# Allegro board 6089-103-RevB_76.brd (continued)
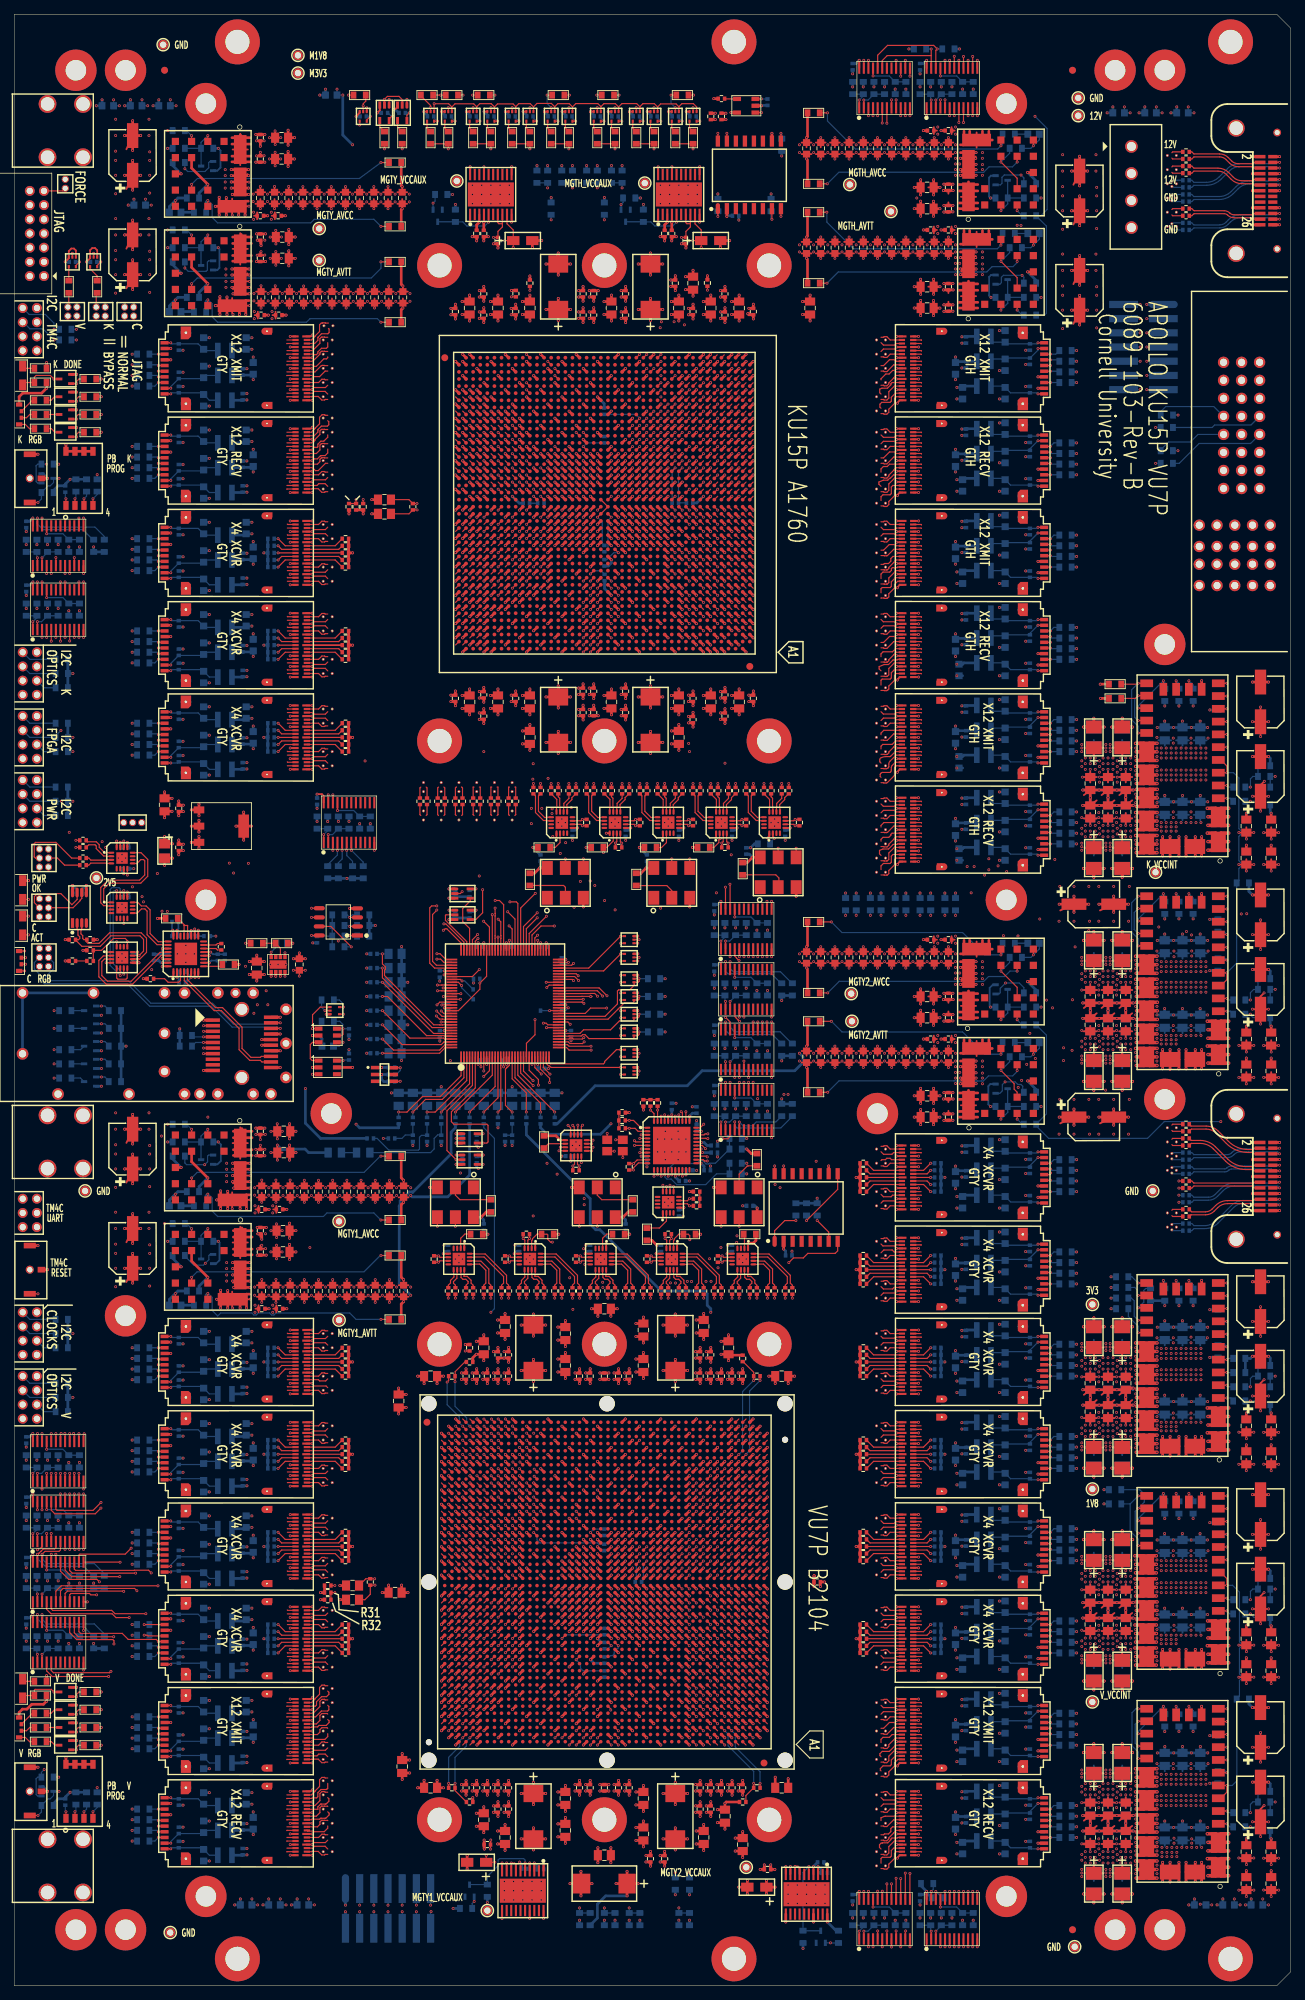
[diagram p0: board, top side]
## Routing (per net, layer and track width the routed paths; a pad name or vN(x,y) marks a point on that pad's centre or on a via; arc(x,y) is an arc through that point) (continued)
 173.03,211.95 ; P1.9 173.77,211.71 ; P1.9 172.29,210.23 ; P1.9 172.29,211.71 ; P1.9 172.05,210.97 ; P1.9 173.77,210.23 ; P1.9 174.01,210.97 ; P1.9 173.03,209.99 ; VA54.4 58.02,165.86 ; VA54.4 57.32,165.53 ; VA54.4 57.29,165.72 ; VA54.4 57.89,165.95 ; VA54.4 57.7,165.92 ; VA54.4 58.08,165.53 ; VA54.4 57.38,165.86 ; VA54.4 58.11,165.72 ; U116.G2 142.19,41.84 ; U116.G2 142.19,39.96 ; U116.G2 141.79,39.97 ; U116.G2 142.91,40.18 ; U116.G2 141.47,40.18 ; U116.G2 141.47,41.62 ; U116.G2 141.25,40.9 ; U116.G2 142.91,41.62 ; 121.24,198.22 VA81.4 ; VA81.4 121.15,197.71 ; VA81.4 121.38,197.49 ; VA81.4 121.56,198.28 ; VA81.4 121.24,197.58 ; VA81.4 121.15,198.09 ; VA81.4 121.56,197.52 ; VA81.4 121.18,197.9 ; PM24.1 161.17,112.67 ; PM24.1 160.5,111.12 ; PM24.1 159.83,112.67 ; PM24.1 161.38,112 ; PM24.1 160.5,112.88 ; PM24.1 159.62,112 ; PM24.1 161.17,111.33 ; PM24.1 159.83,111.33 ; 121.15,209.09 VA76.4 ; VA76.4 121.56,208.52 ; VA76.4 121.56,209.28 ; VA76.4 121.15,208.71 ; VA76.4 121.24,209.22 ; VA76.4 121.18,208.9 ; VA76.4 121.38,208.49 ; VA76.4 121.24,208.58 ; 43.56,26.9 43.56,27.28 ; 43.56,26.9 43.15,26.71 ; 43.56,26.9 43.24,27.22 ; 43.56,26.9 43.56,26.52 ; 43.56,26.9 43.15,27.09 ; 43.56,26.9 43.38,26.49 ; 43.56,26.9 43.18,26.9 ; 43.56,26.9 43.24,26.58 ; U13.39 24.77,140.66 ; U13.39 25.02,139.9 ; U13.39 24.01,138.9 ; U13.39 23.01,139.9 ; U13.39 23.25,140.66 ; U13.39 24.77,139.14 ; U13.39 23.25,139.14 ; U13.39 24.01,140.9 ; 3.2,229.52 J2.8 ; J2.8 3.87,231.07 ; J2.8 4.08,230.4 ; J2.8 2.32,230.4 ; J2.8 2.53,231.07 ; J2.8 3.2,231.28 ; J2.8 3.87,229.73 ; J2.8 2.53,229.73 ; 44.84,78.52 VA28.4 ; VA28.4 45.02,79.31 ; VA28.4 45.16,79.22 ; VA28.4 45.25,79.09 ; VA28.4 45.22,78.9 ; VA28.4 45.16,78.58 ; VA28.4 45.25,78.71 ; VA28.4 44.84,79.28 ; J3.7 1.87,181.23 ; J3.7 1.58,182.77 ; J3.7 2.07,182.28 ; J3.7 1.2,181.02 ; J3.7 1.2,182.78 ; J3.7 1.87,182.57 ; J3.7 2.08,181.9 ; J3.7 2.07,181.52 ; 141.79,156.97 U109.G1 ; U109.G1 142.91,157.18 ; U109.G1 142.91,158.62 ; U109.G1 142.19,156.96 ; U109.G1 142.19,158.84 ; U109.G1 141.25,157.9 ; U109.G1 141.47,158.62 ; U109.G1 141.47,157.18 ; VA115.4 121.56,73.28 ; VA115.4 121.15,72.71 ; VA115.4 121.56,72.52 ; VA115.4 121.24,72.58 ; VA115.4 121.24,73.22 ; VA115.4 121.18,72.9 ; VA115.4 121.15,73.09 ; VA115.4 121.38,72.49 ; 168.83,203.54 P1.P2-7 ; P1.P2-7 170.31,203.54 ; P1.P2-7 169.57,201.82 ; P1.P2-7 170.55,202.8 ; P1.P2-7 169.57,203.78 ; P1.P2-7 170.31,202.06 ; P1.P2-7 168.83,202.06 ; P1.P2-7 168.59,202.8 ; 44.84,37.52 VA42.4 ; VA42.4 45.16,37.58 ; VA42.4 44.84,38.28 ; VA42.4 45.22,37.9 ; VA42.4 45.25,37.71 ; VA42.4 45.02,38.31 ; VA42.4 45.16,38.22 ; VA42.4 45.25,38.09 ; U106.G2 142.19,207.84 ; U106.G2 141.79,205.97 ; U106.G2 141.47,206.18 ; U106.G2 141.47,207.62 ; U106.G2 142.19,205.96 ; U106.G2 142.91,207.62 ; U106.G2 141.25,206.9 ; U106.G2 142.91,206.18 ; 121.24,195.58 VA82.4 ; VA82.4 121.38,195.49 ; VA82.4 121.18,195.9 ; VA82.4 121.15,195.71 ; VA82.4 121.15,196.09 ; VA82.4 121.24,196.22 ; VA82.4 121.56,195.52 ; VA82.4 121.56,196.28 ; 121.56,192.52 VA83.4 ; VA83.4 121.56,193.28 ; VA83.4 121.24,192.58 ; VA83.4 121.24,193.22 ; VA83.4 121.15,192.71 ; VA83.4 121.18,192.9 ; VA83.4 121.15,193.09 ; VA83.4 121.38,192.49 ; VA86.3 123.16,187.22 ; VA86.3 123.16,186.58 ; VA86.3 123.02,187.31 ; VA86.3 123.25,186.71 ; VA86.3 123.22,186.9 ; VA86.3 122.83,187.28 ; VA86.3 122.83,186.52 ; VA86.3 123.25,187.09 ; J17.3 157.5,252.61 ; J17.3 158.31,250.74 ; J17.3 156.43,251.54 ; J17.3 156.69,252.35 ; J17.3 157.5,250.48 ; J17.3 158.31,252.35 ; J17.3 158.57,251.54 ; J17.3 156.69,250.74 ; VA84.3 122.83,191.28 ; VA84.3 123.25,191.09 ; VA84.3 123.02,191.31 ; VA84.3 123.16,190.58 ; VA84.3 123.25,190.71 ; VA84.3 122.83,190.52 ; VA84.3 123.16,191.22 ; VA84.3 123.22,190.9 ; 6.66,255.07 J12.1 ; J12.1 6.66,254 ; J12.1 7.74,254 ; J12.1 6.51,254.53 ; J12.1 7.89,254.53 ; J12.1 7.2,255.22 ; J12.1 7.74,255.07 ; J12.1 7.5,255.23 ; 43.56,44.9 43.56,45.28 ; 43.56,44.9 43.15,44.71 ; 43.56,44.9 43.15,45.09 ; 43.56,44.9 43.56,44.52 ; 43.56,44.9 43.24,44.58 ; 43.56,44.9 43.18,44.9 ; 43.56,44.9 43.38,44.49 ; 43.56,44.9 43.24,45.22 ; VA2.4 45.22,229.9 ; VA2.4 45.16,229.58 ; VA2.4 45.25,230.09 ; VA2.4 45.16,230.22 ; VA2.4 45.25,229.71 ; VA2.4 44.84,229.52 ; VA2.4 45.02,230.31 ; VA2.4 44.84,230.28 ; 121.56,29.52 VA130.4 ; VA130.4 121.24,30.22 ; VA130.4 121.24,29.58 ; VA130.4 121.18,29.9 ; VA130.4 121.15,29.71 ; VA130.4 121.38,29.49 ; VA130.4 121.56,30.28 ; VA130.4 121.15,30.09 ; VA65.4 121.56,232.28 ; VA65.4 121.18,231.9 ; VA65.4 121.24,232.22 ; VA65.4 121.56,231.52 ; VA65.4 121.24,231.58 ; VA65.4 121.38,231.49 ; VA65.4 121.15,232.09 ; VA65.4 121.15,231.71 ; 70.2,168.26 70.61,168.08 ; 70.2,168.26 69.79,168.08 ; 70.2,168.26 70.2,167.88 ; 70.2,168.26 70.01,167.85 ; 70.2,168.26 69.88,167.94 ; 70.2,168.26 70.58,168.26 ; 70.2,168.26 69.82,168.26 ; 70.2,168.26 70.52,167.94 ; VA129.3 123.22,31.9 ; VA129.3 123.02,32.31 ; VA129.3 123.16,31.58 ; VA129.3 122.83,32.28 ; VA129.3 123.16,32.22 ; VA129.3 123.25,31.71 ; VA129.3 123.25,32.09 ; VA129.3 122.83,31.52 ; VA16.4 45.16,192.58 ; VA16.4 45.25,192.71 ; VA16.4 44.84,192.52 ; VA16.4 45.16,193.22 ; VA16.4 45.25,193.09 ; VA16.4 45.02,193.31 ; VA16.4 44.84,193.28 ; VA16.4 45.22,192.9 ; VA100.4 121.56,157.28 ; VA100.4 121.18,156.9 ; VA100.4 121.15,156.71 ; VA100.4 121.56,156.52 ; VA100.4 121.24,157.22 ; VA100.4 121.38,156.49 ; VA100.4 121.24,156.58 ; VA100.4 121.15,157.09 ; VA106.4 122.83,103.28 ; VA106.4 123.16,103.22 ; VA106.4 123.25,103.09 ; VA106.4 123.02,103.31 ; VA106.4 123.25,102.71 ; VA106.4 123.22,102.9 ; VA106.4 122.83,102.52 ; VA106.4 123.16,102.58 ; VA70.3 123.25,221.71 ; VA70.3 122.83,221.52 ; VA70.3 122.83,222.28 ; VA70.3 123.25,222.09 ; VA70.3 123.16,221.58 ; VA70.3 123.02,222.31 ; VA70.3 123.22,221.9 ; VA70.3 123.16,222.22 ; J7.7 2.07,89.28 ; J7.7 2.07,88.52 ; J7.7 2.08,88.9 ; J7.7 1.2,88.02 ; J7.7 1.87,88.23 ; J7.7 1.87,89.57 ; J7.7 1.58,89.77 ; J7.7 1.2,89.78 ; 69.88,169.86 VA63.4 ; VA63.4 70.58,169.53 ; VA63.4 70.39,169.95 ; VA63.4 69.79,169.72 ; VA63.4 70.61,169.72 ; VA63.4 70.2,169.92 ; VA63.4 69.82,169.53 ; VA63.4 70.52,169.86 ; 43.38,72.49 43.56,72.9 ; 43.56,72.9 43.15,72.71 ; 43.56,72.9 43.18,72.9 ; 43.56,72.9 43.15,73.09 ; 43.56,72.9 43.24,72.58 ; 43.56,72.9 43.56,73.28 ; 43.56,72.9 43.56,72.52 ; 43.56,72.9 43.24,73.22 ; 172.05,226.21 P1.15 ; P1.15 174.01,226.21 ; P1.15 172.29,225.47 ; P1.15 173.03,227.19 ; P1.15 173.03,225.23 ; P1.15 173.77,226.95 ; P1.15 173.77,225.47 ; P1.15 172.29,226.95 ; U13.27 34.69,125.65 ; U13.27 32.69,125.65 ; U13.27 33.69,124.65 ; U13.27 32.93,124.89 ; U13.27 34.45,124.89 ; U13.27 34.45,126.41 ; U13.27 33.69,126.65 ; U13.27 32.93,126.41 ; VA94.3 123.16,169.58 ; VA94.3 123.25,170.09 ; VA94.3 123.02,170.31 ; VA94.3 123.25,169.71 ; VA94.3 123.16,170.22 ; VA94.3 122.83,169.52 ; VA94.3 122.83,170.28 ; VA94.3 123.22,169.9 ; VA40.4 45.16,41.58 ; VA40.4 45.02,42.31 ; VA40.4 45.22,41.9 ; VA40.4 45.25,42.09 ; VA40.4 44.84,41.52 ; VA40.4 45.25,41.71 ; VA40.4 45.16,42.22 ; VA40.4 44.84,42.28 ; VA49.4 45.22,22.9 ; VA49.4 44.84,22.52 ; VA49.4 45.16,22.58 ; VA49.4 45.02,23.31 ; VA49.4 45.16,23.22 ; VA49.4 45.25,23.09 ; VA49.4 45.25,22.71 ; VA49.4 44.84,23.28 ; 163.84,251.9 164.25,252.09 ; 163.84,251.9 164.22,251.9 ; 163.84,251.9 163.84,251.52 ; 163.84,251.9 164.25,251.71 ; 163.84,251.9 164.16,251.58 ; 163.84,251.9 164.02,252.31 ; 163.84,251.9 163.84,252.28 ; 163.84,251.9 164.16,252.22 ; 43.15,59.71 43.56,59.9 ; 43.56,59.9 43.56,59.52 ; 43.56,59.9 43.15,60.09 ; 43.56,59.9 43.56,60.28 ; 43.56,59.9 43.38,59.49 ; 43.56,59.9 43.18,59.9 ; 43.56,59.9 43.24,60.22 ; 43.56,59.9 43.24,59.58 ; VA50.4 45.22,20.9 ; VA50.4 45.02,21.31 ; VA50.4 45.16,21.22 ; VA50.4 45.25,20.71 ; VA50.4 45.16,20.58 ; VA50.4 45.25,21.09 ; VA50.4 44.84,20.52 ; VA50.4 44.84,21.28 ; VA66.3 123.22,229.9 ; VA66.3 123.16,229.58 ; VA66.3 123.16,230.22 ; VA66.3 123.02,230.31 ; VA66.3 123.25,230.09 ; VA66.3 122.83,230.28 ; VA66.3 123.25,229.71 ; VA66.3 122.83,229.52 ; VA30.3 45.16,73.22 ; VA30.3 45.22,72.9 ; VA30.3 45.25,73.09 ; VA30.3 45.25,72.71 ; VA30.3 45.02,73.31 ; VA30.3 45.16,72.58 ; VA30.3 44.84,73.28 ; VA30.3 44.84,72.52 ; U30.G2 24.93,17.18 ; U30.G2 23.49,17.18 ; U30.G2 24.93,18.62 ; U30.G2 23.81,16.97 ; U30.G2 24.21,16.96 ; U30.G2 25.15,17.9 ; U30.G2 23.49,18.62 ; U30.G2 24.21,18.84 ; 26.2,124.77 U13.29 ; U13.29 25.53,124.98 ; U13.29 26.87,124.98 ; U13.29 26.2,126.53 ; U13.29 25.53,126.32 ; U13.29 27.07,125.65 ; U13.29 25.32,125.65 ; U13.29 26.87,126.32 ; 122.83,214.52 VA73.3 ; VA73.3 123.25,214.71 ; VA73.3 123.22,214.9 ; VA73.3 123.16,214.58 ; VA73.3 122.83,215.28 ; VA73.3 123.25,215.09 ; VA73.3 123.16,215.22 ; VA73.3 123.02,215.31 ; 43.38,65.49 43.56,65.9 ; 43.56,65.9 43.56,66.28 ; 43.56,65.9 43.24,66.22 ; 43.56,65.9 43.24,65.58 ; 43.56,65.9 43.56,65.52 ; 43.56,65.9 43.18,65.9 ; 43.56,65.9 43.15,66.09 ; 43.56,65.9 43.15,65.71 ; 32.93,139.14 U13.22 ; U13.22 32.69,139.9 ; U13.22 34.69,139.9 ; U13.22 34.45,140.66 ; U13.22 34.45,139.14 ; U13.22 33.69,138.9 ; U13.22 32.93,140.66 ; U13.22 33.69,140.9 ; 121.15,98.71 VA107.4 ; VA107.4 121.15,99.09 ; VA107.4 121.24,98.58 ; VA107.4 121.18,98.9 ; VA107.4 121.56,99.28 ; VA107.4 121.56,98.52 ; VA107.4 121.38,98.49 ; VA107.4 121.24,99.22 ; VA55.4 60.52,169.86 ; VA55.4 60.61,169.72 ; VA55.4 60.2,169.92 ; VA55.4 59.88,169.86 ; VA55.4 60.39,169.95 ; VA55.4 60.58,169.53 ; VA55.4 59.79,169.72 ; VA55.4 59.82,169.53 ; 122.83,96.52 VA108.3 ; VA108.3 123.25,96.71 ; VA108.3 123.16,96.58 ; VA108.3 123.16,97.22 ; VA108.3 122.83,97.28 ; VA108.3 123.25,97.09 ; VA108.3 123.02,97.31 ; VA108.3 123.22,96.9 ; U105.G1 142.91,210.62 ; U105.G1 142.91,209.18 ; U105.G1 142.19,208.96 ; U105.G1 141.25,209.9 ; U105.G1 141.47,210.62 ; U105.G1 141.79,208.97 ; U105.G1 141.47,209.18 ; U105.G1 142.19,210.84 ; 2.53,80.57 J8.8 ; J8.8 3.87,79.23 ; J8.8 4.08,79.9 ; J8.8 3.87,80.57 ; J8.8 2.53,79.23 ; J8.8 3.2,80.78 ; J8.8 2.32,79.9 ; J8.8 3.2,79.02 ; 141.47,53.18 U115.G2 ; U115.G2 142.19,52.96 ; U115.G2 141.79,52.97 ; U115.G2 141.25,53.9 ; U115.G2 142.19,54.84 ; U115.G2 142.91,53.18 ; U115.G2 141.47,54.62 ; U115.G2 142.91,54.62 ; VA3.4 44.84,228.28 ; VA3.4 45.25,228.09 ; VA3.4 44.84,227.52 ; VA3.4 45.16,228.22 ; VA3.4 45.02,228.31 ; VA3.4 45.16,227.58 ; VA3.4 45.22,227.9 ; VA3.4 45.25,227.71 ; VA46.4 45.16,28.58 ; VA46.4 44.84,29.28 ; VA46.4 44.84,28.52 ; VA46.4 45.22,28.9 ; VA46.4 45.25,29.09 ; VA46.4 45.02,29.31 ; VA46.4 45.25,28.71 ; VA46.4 45.16,29.22 ; U29.G2 24.93,31.62 ; U29.G2 24.21,29.96 ; U29.G2 25.15,30.9 ; U29.G2 23.81,29.97 ; U29.G2 23.49,31.62 ; U29.G2 23.49,30.18 ; U29.G2 24.21,31.84 ; U29.G2 24.93,30.18 ; 122.83,208.52 VA76.3 ; VA76.3 123.16,208.58 ; VA76.3 123.16,209.22 ; VA76.3 123.25,209.09 ; VA76.3 122.83,209.28 ; VA76.3 123.25,208.71 ; VA76.3 123.02,209.31 ; VA76.3 123.22,208.9 ; U13.38 21.86,140.57 ; U13.38 21.19,139.02 ; U13.38 21.19,140.78 ; U13.38 21.86,139.23 ; U13.38 20.52,139.23 ; U13.38 20.52,140.57 ; U13.38 20.32,139.9 ; U13.38 22.07,139.9 ; 43.38,20.49 43.56,20.9 ; 43.56,20.9 43.56,20.52 ; 43.56,20.9 43.18,20.9 ; 43.56,20.9 43.15,20.71 ; 43.56,20.9 43.56,21.28 ; 43.56,20.9 43.15,21.09 ; 43.56,20.9 43.24,20.58 ; 43.56,20.9 43.24,21.22 ; 121.15,96.71 VA108.4 ; VA108.4 121.56,96.52 ; VA108.4 121.24,97.22 ; VA108.4 121.15,97.09 ; VA108.4 121.24,96.58 ; VA108.4 121.56,97.28 ; VA108.4 121.18,96.9 ; VA108.4 121.38,96.49 ; 62.38,165.86 VA58.4 ; VA58.4 63.11,165.72 ; VA58.4 62.32,165.53 ; VA58.4 62.7,165.92 ; VA58.4 63.08,165.53 ; VA58.4 63.02,165.86 ; VA58.4 62.29,165.72 ; VA58.4 62.89,165.95 ; 162.15,120.71 VA143.4 ; VA143.4 162.18,120.9 ; VA143.4 162.56,120.52 ; VA143.4 162.56,121.28 ; VA143.4 162.38,120.49 ; VA143.4 162.24,120.58 ; VA143.4 162.24,121.22 ; VA143.4 162.15,121.09 ; VA133.3 123.16,22.58 ; VA133.3 122.83,23.28 ; VA133.3 123.25,22.71 ; VA133.3 123.22,22.9 ; VA133.3 123.02,23.31 ; VA133.3 122.83,22.52 ; VA133.3 123.16,23.22 ; VA133.3 123.25,23.09 ; 121.18,214.9 VA73.4 ; VA73.4 121.38,214.49 ; VA73.4 121.24,214.58 ; VA73.4 121.56,214.52 ; VA73.4 121.15,214.71 ; VA73.4 121.56,215.28 ; VA73.4 121.24,215.22 ; VA73.4 121.15,215.09 ; 121.24,187.22 VA86.4 ; VA86.4 121.15,186.71 ; VA86.4 121.24,186.58 ; VA86.4 121.56,186.52 ; VA86.4 121.15,187.09 ; VA86.4 121.18,186.9 ; VA86.4 121.56,187.28 ; VA86.4 121.38,186.49 ; 57.29,169.72 VA53.4 ; VA53.4 57.7,169.92 ; VA53.4 58.08,169.53 ; VA53.4 58.11,169.72 ; VA53.4 58.02,169.86 ; VA53.4 57.89,169.95 ; VA53.4 57.32,169.53 ; VA53.4 57.38,169.86 ; PM23.1 150.17,6.17 ; PM23.1 150.17,4.83 ; PM23.1 148.83,4.83 ; PM23.1 149.5,4.62 ; PM23.1 149.5,6.38 ; PM23.1 148.83,6.17 ; PM23.1 150.38,5.5 ; PM23.1 148.62,5.5 ; 43.38,76.49 43.56,76.9 ; 43.56,76.9 43.15,77.09 ; 43.56,76.9 43.24,77.22 ; 43.56,76.9 43.18,76.9 ; 43.56,76.9 43.15,76.71 ; 43.56,76.9 43.56,77.28 ; 43.56,76.9 43.56,76.52 ; 43.56,76.9 43.24,76.58 ; 43.18,78.9 43.56,78.9 ; 43.56,78.9 43.38,78.49 ; 43.56,78.9 43.15,79.09 ; 43.56,78.9 43.56,79.28 ; 43.56,78.9 43.24,78.58 ; 43.56,78.9 43.24,79.22 ; 43.56,78.9 43.15,78.71 ; 43.56,78.9 43.56,78.52 ; P1.P2-8 170.55,205.8 ; P1.P2-8 168.59,205.8 ; P1.P2-8 170.31,206.54 ; P1.P2-8 168.83,205.06 ; P1.P2-8 169.57,206.78 ; P1.P2-8 168.83,206.54 ; P1.P2-8 169.57,204.82 ; P1.P2-8 170.31,205.06 ; 43.56,216.52 43.56,216.9 ; 43.56,216.9 43.15,217.09 ; 43.56,216.9 43.24,216.58 ; 43.56,216.9 43.38,216.49 ; 43.56,216.9 43.24,217.22 ; 43.56,216.9 43.15,216.71 ; 43.56,216.9 43.56,217.28 ; 43.56,216.9 43.18,216.9 ; 43.38,225.49 43.56,225.9 ; 43.56,225.9 43.15,226.09 ; 43.56,225.9 43.15,225.71 ; 43.56,225.9 43.56,225.52 ; 43.56,225.9 43.24,225.58 ; 43.56,225.9 43.18,225.9 ; 43.56,225.9 43.24,226.22 ; 43.56,225.9 43.56,226.28 ; VA88.3 123.16,182.58 ; VA88.3 123.25,182.71 ; VA88.3 123.16,183.22 ; VA88.3 123.22,182.9 ; VA88.3 122.83,182.52 ; VA88.3 123.02,183.31 ; VA88.3 122.83,183.28 ; VA88.3 123.25,183.09 ; 62.7,168.26 63.08,168.26 ; 62.7,168.26 62.29,168.08 ; 62.7,168.26 63.02,167.94 ; 62.7,168.26 62.7,167.88 ; 62.7,168.26 62.51,167.85 ; 62.7,168.26 62.38,167.94 ; 62.7,168.26 62.32,168.26 ; 62.7,168.26 63.11,168.08 ; 162.38,251.49 VA140.4 ; VA140.4 162.18,251.9 ; VA140.4 162.15,251.71 ; VA140.4 162.56,252.28 ; VA140.4 162.24,251.58 ; VA140.4 162.24,252.22 ; VA140.4 162.56,251.52 ; VA140.4 162.15,252.09 ; 43.15,52.71 43.56,52.9 ; 43.56,52.9 43.56,53.28 ; 43.56,52.9 43.18,52.9 ; 43.56,52.9 43.15,53.09 ; 43.56,52.9 43.24,53.22 ; 43.56,52.9 43.38,52.49 ; 43.56,52.9 43.24,52.58 ; 43.56,52.9 43.56,52.52 ; P1.P2-5 173.05,202.8 ; P1.P2-5 172.07,201.82 ; P1.P2-5 171.33,203.54 ; P1.P2-5 171.09,202.8 ; P1.P2-5 171.33,202.06 ; P1.P2-5 172.07,203.78 ; P1.P2-5 172.81,203.54 ; P1.P2-5 172.81,202.06 ; U20.G2 24.93,223.62 ; U20.G2 23.81,221.97 ; U20.G2 25.15,222.9 ; U20.G2 24.93,222.18 ; U20.G2 24.21,221.96 ; U20.G2 23.49,223.62 ; U20.G2 23.49,222.18 ; U20.G2 24.21,223.84 ; 24.21,68.96 U26.G2 ; U26.G2 24.93,69.18 ; U26.G2 24.21,70.84 ; U26.G2 25.15,69.9 ; U26.G2 24.93,70.62 ; U26.G2 23.49,69.18 ; U26.G2 23.81,68.97 ; U26.G2 23.49,70.62 ; VA20.4 45.25,180.09 ; VA20.4 44.84,180.28 ; VA20.4 45.02,180.31 ; VA20.4 44.84,179.52 ; VA20.4 45.25,179.71 ; VA20.4 45.22,179.9 ; VA20.4 45.16,179.58 ; VA20.4 45.16,180.22 ; VA5.4 45.16,224.22 ; VA5.4 45.22,223.9 ; VA5.4 45.02,224.31 ; VA5.4 44.84,223.52 ; VA5.4 45.16,223.58 ; VA5.4 45.25,223.71 ; VA5.4 45.25,224.09 ; VA5.4 44.84,224.28 ; 43.38,212.49 43.56,212.9 ; 43.56,212.9 43.56,212.52 ; 43.56,212.9 43.15,213.09 ; 43.56,212.9 43.15,212.71 ; 43.56,212.9 43.56,213.28 ; 43.56,212.9 43.18,212.9 ; 43.56,212.9 43.24,212.58 ; 43.56,212.9 43.24,213.22 ; U107.G1 142.91,183.18 ; U107.G1 141.25,183.9 ; U107.G1 142.19,182.96 ; U107.G1 142.91,184.62 ; U107.G1 141.47,184.62 ; U107.G1 141.79,182.97 ; U107.G1 142.19,184.84 ; U107.G1 141.47,183.18 ; 67.29,164.08 67.7,164.26 ; 67.7,164.26 68.11,164.08 ; 67.7,164.26 67.51,163.85 ; 67.7,164.26 68.08,164.26 ; 67.7,164.26 67.7,163.88 ; 67.7,164.26 68.02,163.94 ; 67.7,164.26 67.32,164.26 ; 67.7,164.26 67.38,163.94 ; VA118.4 123.16,63.58 ; VA118.4 123.16,64.22 ; VA118.4 122.83,63.52 ; VA118.4 123.02,64.31 ; VA118.4 123.22,63.9 ; VA118.4 122.83,64.28 ; VA118.4 123.25,64.09 ; VA118.4 123.25,63.71 ; 43.18,203.9 43.56,203.9 ; 43.56,203.9 43.56,203.52 ; 43.56,203.9 43.15,203.71 ; 43.56,203.9 43.38,203.49 ; 43.56,203.9 43.15,204.09 ; 43.56,203.9 43.24,204.22 ; 43.56,203.9 43.56,204.28 ; 43.56,203.9 43.24,203.58 ; 3.53,240.23 J1.1 ; J1.1 3.53,241.57 ; J1.1 5.08,240.9 ; J1.1 4.87,241.57 ; J1.1 4.2,240.02 ; J1.1 4.2,241.78 ; J1.1 4.87,240.23 ; J1.1 3.32,240.9 ; 121.38,37.49 VA126.4 ; VA126.4 121.15,37.71 ; VA126.4 121.15,38.09 ; VA126.4 121.24,37.58 ; VA126.4 121.56,37.52 ; VA126.4 121.18,37.9 ; VA126.4 121.24,38.22 ; VA126.4 121.56,38.28 ; 163.84,116.9 164.25,117.09 ; 163.84,116.9 164.16,117.22 ; 163.84,116.9 164.02,117.31 ; 163.84,116.9 164.25,116.71 ; 163.84,116.9 163.84,117.28 ; 163.84,116.9 164.22,116.9 ; 163.84,116.9 164.16,116.58 ; 163.84,116.9 163.84,116.52 ; VA9.4 45.16,215.22 ; VA9.4 44.84,215.28 ; VA9.4 45.02,215.31 ; VA9.4 44.84,214.52 ; VA9.4 45.16,214.58 ; VA9.4 45.22,214.9 ; VA9.4 45.25,215.09 ; VA9.4 45.25,214.71 ; 121.38,35.49 VA127.4 ; VA127.4 121.56,35.52 ; VA127.4 121.15,36.09 ; VA127.4 121.24,35.58 ; VA127.4 121.15,35.71 ; VA127.4 121.56,36.28 ; VA127.4 121.18,35.9 ; VA127.4 121.24,36.22 ; VA96.3 123.16,165.22 ; VA96.3 123.25,164.71 ; VA96.3 123.16,164.58 ; VA96.3 122.83,165.28 ; VA96.3 123.02,165.31 ; VA96.3 123.25,165.09 ; VA96.3 123.22,164.9 ; VA96.3 122.83,164.52 ; U21.G1 25.15,219.9 ; U21.G1 24.21,220.84 ; U21.G1 23.49,219.18 ; U21.G1 24.93,220.62 ; U21.G1 24.21,218.96 ; U21.G1 23.81,218.97 ; U21.G1 23.49,220.62 ; U21.G1 24.93,219.18 ; J16.1 15.97,163.36 ; J16.1 14.89,163.36 ; J16.1 14.74,163.9 ; J16.1 15.13,163.21 ; J16.1 15.43,164.59 ; J16.1 14.89,164.44 ; J16.1 15.97,164.44 ; J16.1 15.43,163.21 ; 43.24,228.22 43.56,227.9 ; 43.56,227.9 43.15,228.09 ; 43.56,227.9 43.24,227.58 ; 43.56,227.9 43.56,228.28 ; 43.56,227.9 43.15,227.71 ; 43.56,227.9 43.38,227.49 ; 43.56,227.9 43.18,227.9 ; 43.56,227.9 43.56,227.52 ; U21.G2 24.21,210.84 ; U21.G2 24.93,210.62 ; U21.G2 25.15,209.9 ; U21.G2 23.49,210.62 ; U21.G2 23.81,208.97 ; U21.G2 24.93,209.18 ; U21.G2 24.21,208.96 ; U21.G2 23.49,209.18 ; VA98.3 123.22,160.9 ; VA98.3 123.25,160.71 ; VA98.3 122.83,160.52 ; VA98.3 123.02,161.31 ; VA98.3 123.16,160.58 ; VA98.3 123.25,161.09 ; VA98.3 123.16,161.22 ; VA98.3 122.83,161.28 ; VA31.3 45.25,71.09 ; VA31.3 45.02,71.31 ; VA31.3 45.16,70.58 ; VA31.3 45.16,71.22 ; VA31.3 45.25,70.71 ; VA31.3 44.84,70.52 ; VA31.3 44.84,71.28 ; VA31.3 45.22,70.9 ; J1.3 4.87,243.57 ; J1.3 3.32,242.9 ; J1.3 4.2,242.02 ; J1.3 3.53,242.23 ; J1.3 3.53,243.57 ; J1.3 5.08,242.9 ; J1.3 4.87,242.23 ; J1.3 4.2,243.78 ; 121.15,175.71 VA91.4 ; VA91.4 121.38,175.49 ; VA91.4 121.24,176.22 ; VA91.4 121.15,176.09 ; VA91.4 121.24,175.58 ; VA91.4 121.18,175.9 ; VA91.4 121.56,176.28 ; VA91.4 121.56,175.52 ; 20.33,272.83 PM21.1 ; PM21.1 21,272.62 ; PM21.1 21.67,274.17 ; PM21.1 20.33,274.17 ; PM21.1 21.88,273.5 ; PM21.1 20.12,273.5 ; PM21.1 21.67,272.83 ; PM21.1 21,274.38 ; 67.32,169.53 VA61.4 ; VA61.4 67.38,169.86 ; VA61.4 68.08,169.53 ; VA61.4 67.7,169.92 ; VA61.4 68.11,169.72 ; VA61.4 67.89,169.95 ; VA61.4 67.29,169.72 ; VA61.4 68.02,169.86 ; VA17.4 45.16,191.22 ; VA17.4 45.25,190.71 ; VA17.4 44.84,191.28 ; VA17.4 45.22,190.9 ; VA17.4 45.16,190.58 ; VA17.4 45.02,191.31 ; VA17.4 45.25,191.09 ; VA17.4 44.84,190.52 ; VA100.3 123.02,157.31 ; VA100.3 123.22,156.9 ; VA100.3 122.83,157.28 ; VA100.3 122.83,156.52 ; VA100.3 123.16,156.58 ; VA100.3 123.25,156.71 ; VA100.3 123.25,157.09 ; VA100.3 123.16,157.22 ; 43.24,180.22 43.56,179.9 ; 43.56,179.9 43.24,179.58 ; 43.56,179.9 43.38,179.49 ; 43.56,179.9 43.15,180.09 ; 43.56,179.9 43.15,179.71 ; 43.56,179.9 43.18,179.9 ; 43.56,179.9 43.56,180.28 ; 43.56,179.9 43.56,179.52 ; 23.49,183.18 U23.G2 ; U23.G2 24.93,184.62 ; U23.G2 23.81,182.97 ; U23.G2 24.21,182.96 ; U23.G2 24.93,183.18 ; U23.G2 24.21,184.84 ; U23.G2 25.15,183.9 ; U23.G2 23.49,184.62 ; 121.24,44.58 VA124.4 ; VA124.4 121.56,45.28 ; VA124.4 121.15,44.71 ; VA124.4 121.56,44.52 ; VA124.4 121.38,44.49 ; VA124.4 121.24,45.22 ; VA124.4 121.18,44.9 ; VA124.4 121.15,45.09 